# KiCad board FCSat_dual.kicad_pcb (continued)
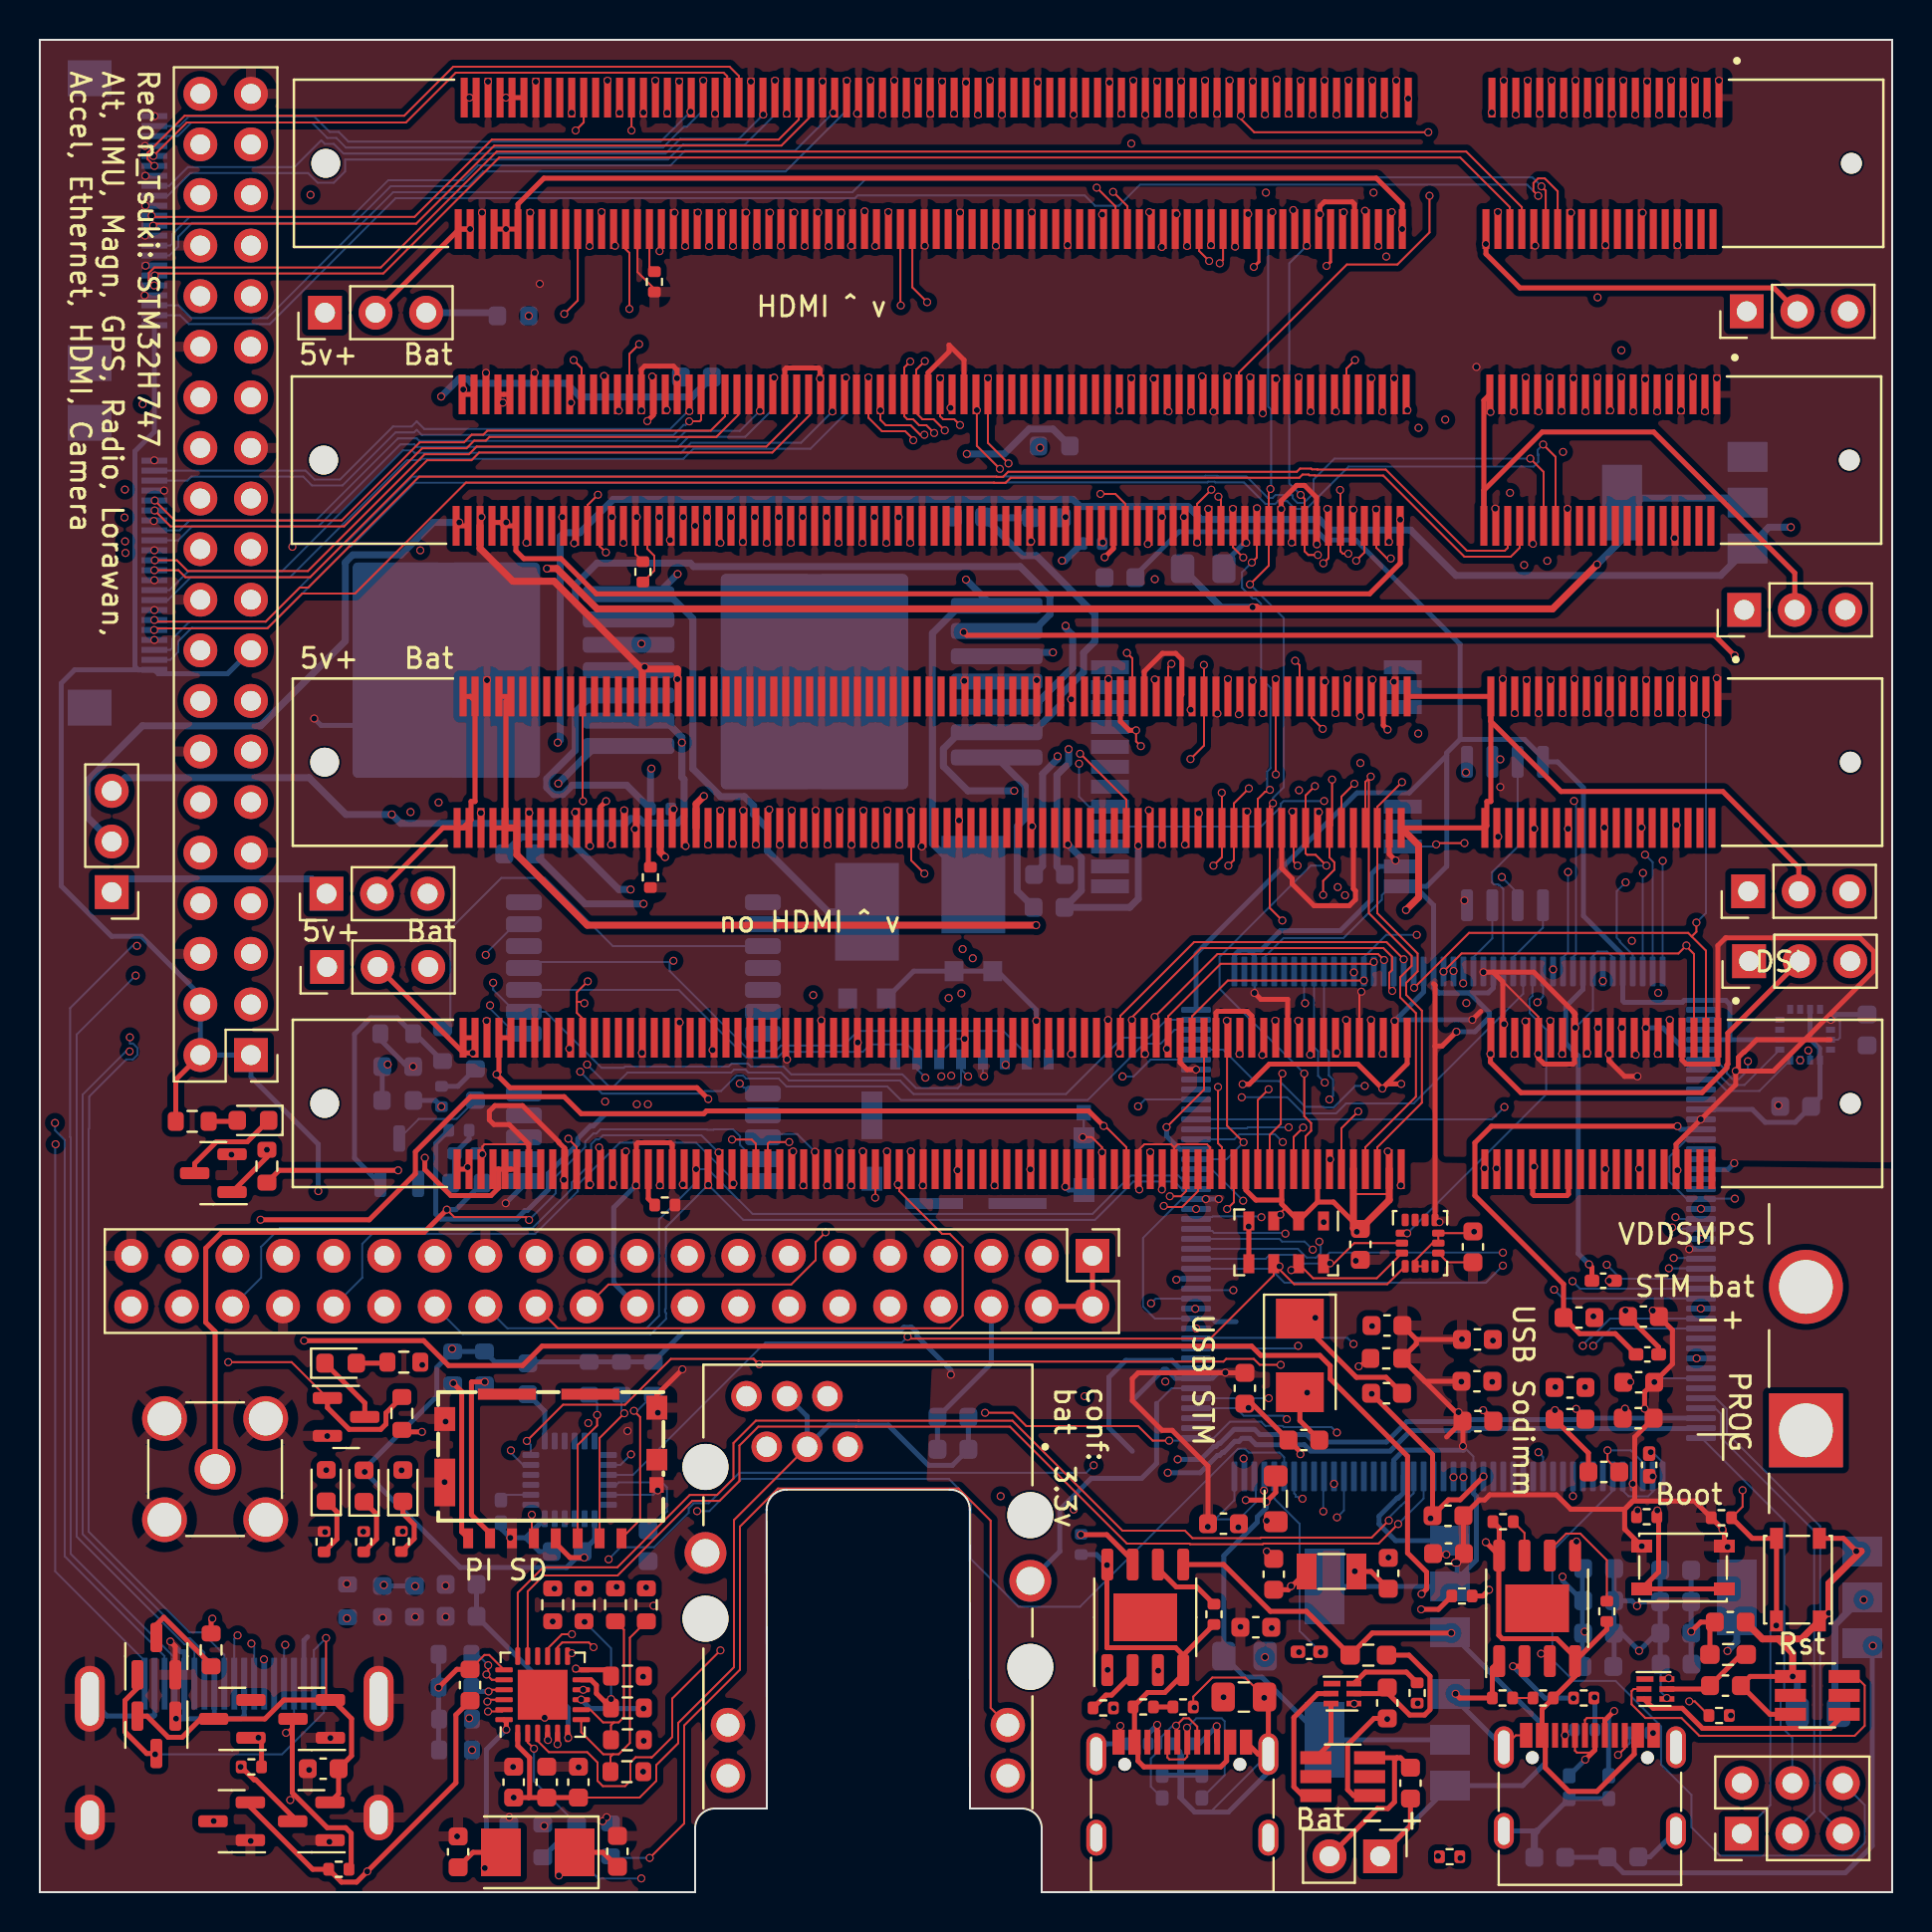
[diagram p0: board, top side]
## Routing (per net, layer and track width the routed paths; a pad name or vN(x,y) marks a point on that pad's centre or on a via; arc(x,y) is an arc through that point) (continued)
+3.3VA: length 148.1
  Top w0.25: v1(27.18,9.67) 27.18,9.67 U1.9 ; P3.2 6.83,40.79 R42.1 ; P4.1 P4.2 P4.4 ; D8.2 10.57,4.28 13.7,1.15 R39.1 15.14,0.5 15.91,0.5 20.89,5.49 20.89,8.9 L4.1
  In2.Cu w0.25: v1(19.2,26.47) 21.01,28.28 21.01,29.71 21.88,30.58 31.17,30.58 P4.17 33.7,30.77 51.67,30.77 P4.1
  In2.Cu w0.35: v1(84.73,12.11) 89,12.11 v1(91.57,14.68)
  Bottom w0.25: P3.17 9.42,61.17 5.95,61.17 P1.22 5.01,61.37 ; 5.01,61.37 1.75,61.37 1.08,60.69 1.08,50.52 3.6,47.99 5.1,47.99 8.06,45.03 ; 5.01,61.37 4.95,61.37 4.78,61.54 4.78,72.34 5.75,73.32 P2.22 ; C40.1 C41.1 ; v1(13.98,35.2) 13.98,37.55 10.6,40.93 P3.1 P3.2 P3.4 ; v1(30.31,9.22) 27.63,9.22 v1(27.18,9.67)
  Bottom w0.35: VoltReg2.2 85.2,12.58 v1(84.73,12.11) ; VoltReg2.2 90.13,13.42 90.13,9.2
  vias: v1(16.44,1.04) v1(17.27,15.42) v1(18.84,15.36) v1(30.29,10.82) v1(30.32,7.6) v1(30.29,6.05)
+5V: length 184.1
  Top w0.25: R49.2 78.67,13.19 BATCharge2.4 77.08,10.84 R48.1 75.42,9.19 USB_C_ESP3.A4 ; 77.08,11.8 76.16,12.72 73.42,12.72 73.25,12.9 73.25,16.88 ; v1(69.37,14.97) 69.63,15.23 69.63,16.07 68.67,17.03 68.67,21.89 64.79,25.77 64.79,26.42 64.26,26.95 61.3,26.95 60.84,27.41 25.21,27.41 24.24,26.44 20.52,26.44 19.27,27.69 v1(13.27,27.69) ; 75.58,7.71 75.58,6.24 76.77,5.06 78.18,5.06 80.05,6.93 80.05,7.7 ; v1(72.6,17.57) BATCharge2.8 73.27,18.28 R50.2 ; R38.1 11.13,7.6
  In1.Cu w0.25: v1(13.27,27.69) 13.27,28.09 13.39,28.21 ; v1(10.97,7.76) 13.47,10.25 13.47,28.13 13.39,28.21 ; 13.39,28.21 13.39,32.44 13.25,32.57 13.25,40.03 14.42,41.2 J11.1 ; J7.1 15.3,78.31 15.3,65.12 14.28,64.1 15.35,63.02 15.35,51.09 J10.1 14.39,46.48
  In2.Cu w0.25: v1(69.37,14.97) 70.31,14.97 72.6,17.26 v1(72.6,17.57)
  Bottom w0.35: J10.1 13.64,50.88 4.28,50.88
Vbus: length 73.9
  Top w0.25: R8.1 55.61,10.02 56.48,10.02 57.41,10.95 ; 59.58,7.36 59.58,6.59 59.29,6.29 55.43,6.29 55.14,6.59 55.14,7.36 ; USB_C_ESP1.A4 54.96,9.23 ; 57.41,11.89 R9.2 ; 57.41,11.89 BATCharge1.4 ; 57.41,11.89 57.02,12.27 53.58,12.27 53.58,16.03
  In1.Cu w0.25: v1(52.45,24.9) 52.44,24.89 52.44,18.45 53.58,17.31 v1(53.58,16.42)
  In2.Cu w0.25: v1(14.38,21.19) 17.92,24.73 23.22,24.73 23.42,24.52 25.46,24.52 27.27,26.34 28.08,26.34 28.88,27.14 41.93,27.14 43.93,25.13 52.22,25.13 v1(52.45,24.9)
  Bottom w0.25: v1(53.58,16.42) 53.05,16.95 R10.2
VCC: length 124.1
  Top w0.25: 11.4,35.62 12.02,36.24 v1(17.99,36.24) ; 18.28,23.11 v1(19.18,23.11)
  Top w0.35: v1(78.18,66.66) 75.95,64.43 27.98,64.43 25.96,66.45 v1(25.46,66.45) ; v1(60.89,64.51) 61.09,64.51 61.13,64.47
  In1.Cu w0.25: v1(19.18,23.11) 18.47,23.83 18.47,35.77 v1(17.99,36.24)
  In1.Cu w0.35: v1(17.99,36.24) 16.94,37.29 16.94,42.15 21.62,46.83 21.62,61.47 25.46,65.31 v1(25.46,66.45)
  Bottom w0.35: C54.1 59.32,64.51 v1(60.89,64.51) ; 1.8vReg2.2 79.44,67.92 v1(78.18,66.66) ; 79.67,69.99 85.51,69.99
VDDA: length 25.2
  Top w0.1: 66.62,26.8 v1(66.22,26.4)
  In1.Cu w0.1: v1(66.22,26.4) 66.53,26.71 66.53,27.74 66.2,28.07 66.2,29 66.59,29.39 66.59,40.41 v1(66.52,40.48)
  Bottom w0.1: MainMCU1.40 59.41,42.3 60.99,40.72 62.23,40.72 63.53,39.43 64.45,39.43 64.48,39.4 64.96,39.4 66.04,40.48 v1(66.52,40.48)
VDDSMPS: length 35.2
  In1.Cu w0.1: v1(59.92,30.22) 59.92,25.99 62,23.91 62,14.97 71.03,5.94 71.03,2.64 v1(70.2,1.81)
  Bottom w0.1: v1(59.92,30.22) 58.13,30.22
VSS: length 523.8
  Top w0.1: v1(75.23,42.09) 75.23,43.95 72.99,46.19 v1(72.48,46.19) ; U5.49 66.25,45.11 v1(66.35,45.21) ; U2.170 30.01,81.35 30.86,80.5 ; USB_C_ESP3.S1 74.11,7.88 USB_C_ESP3.A1 ; 55.15,37.24 55.45,37.55 56.8,37.55 56.95,37.4 U5.80 56.95,37.38 57.13,37.55 58.6,37.55 58.75,37.4 U5.74 ; U5.44 67.75,35.2 67.6,35.05 66.08,35.05 65.95,35.18 U5.50 ; 62.54,34.36 62.28,34.1 v1(62.28,34.02) ; 71.94,33.09 IMU1.7 IMU1.6 69.92,32.59 69.05,31.71 IMU1.2 IMU1.3 ; U5.188 24.55,37.4 24.4,37.55 22.33,37.55 22.22,37.44 v1(22.22,37.05) ; R7.2 57.91,9.82 58.87,10.77 60.51,10.77 C37.2 ; v1(54.25,8.35) 54.25,7.62 ; U5.86 55.15,35.33 v1(55.2,35.28) ; v1(53.33,37.14) 53.33,37.39 52.82,37.91 v1(52.36,37.91) ; R43.1 29.9,67.18 U3.170
  Top w0.25: 65.95,53.43 65.95,50.38 66.06,50.27 66.06,49.84 65.75,49.53 63.97,49.53 62.88,50.62 62.88,50.88 62.35,51.41 62.35,53.43 ; U5.32 74.95,35.05 75.02,34.97 76.67,34.97 76.75,35.05 U5.26 ; 72.35,44.23 v1(71.92,43.8) ; U5.67 60.85,43.99 60.61,44.22 59.13,44.22 59.05,44.15 U5.73 ; J6.11 30.98,24.97 v1(32.26,26.25) ; v1(64.27,84.24) 64.27,84.64 64.49,84.86 65.89,84.86 66.01,84.75 U2.50 ; U5.188 24.55,37.55 23.56,38.54 22.8,38.54 22.57,38.77 22.57,39.21 22.85,39.49 24.23,39.49 26.06,37.66 26.06,37.63 26.34,37.35 26.35,37.35 U5.182 ; C21.1 77.75,22.05 C7.1 ; C24.1 81.27,27.36 C11.2 ; U5.8 82.15,37.55 85.14,40.54 v1(85.14,41.22) ; v1(71.08,9.96) 71.29,9.75 72.92,9.75 72.92,11.25 BATCharge2.1 ; 89.89,42.8 86.2,42.8 85.59,42.19 85.56,42.19 85.28,41.92 85.28,41.36 v1(85.14,41.22) ; PowerMosfet2.3 86.86,8.93 85.42,10.37 ; 72.97,46.19 v1(72.48,46.19) ; 72.97,46.19 73.45,45.71 U5.37 ; 72.97,46.19 75.01,46.19 77.05,44.15 U5.25 77.05,41.65 76.98,41.57 75.54,41.57 75.25,41.86 U5.31 ; C27.1 64.95,34.65 64.15,34.65 ; USB_C_ESP1.A12 61.16,6.93 USB_C_ESP1.S1 61.68,9.61 ; v1(78.78,42.07) 78.78,41.74 79.57,40.96 v1(80.21,40.96) ; U3.115 46.4,76.92 45.65,77.67 45.65,77.34 44.6,76.29 U3.121 ; v1(91.2,17.12) 90.55,17.77 SW2.1 ; v1(72.48,20.87) 71.31,19.7 70.73,19.7 C12.2 69.92,21.96 v1(66.87,25.02) ; v1(85.14,41.22) 87.04,41.22 92.07,46.25 92.07,47.23 91.38,47.91 84.64,47.91 84.25,47.52 U5.1 84.25,41.57 82.66,41.57 82.45,41.78 U5.7 ; U5.170 29.95,37.55 30.02,37.62 31.65,37.62 31.75,37.52 U5.164 ; v1(88,10.83) 85.86,10.83 C51.1 ; U3.56 64.1,70.02 63.49,70.63 63.1,70.63 62.33,69.86 v1(62.33,69.44) ; 67.75,53.43 67.75,52.12 v1(68.07,51.8) ; U4.79 57.34,60.12 57.34,61.89 57.03,62.19 56.36,62.19 55.45,61.28 U4.85 ; 64.15,34.65 U5.56 ; 64.15,34.65 Alt1.2 62.35,34.55 62.35,34.75 ; v1(63.29,21.99) 63.29,22.1 C2.2 60.86,24.52 C17.2 ; U5.68 60.55,35.25 61.05,34.75 62.35,34.75 ; U5.62 62.35,34.75 ; v1(6.55,12.59) 6.8,12.34 Q2.2 ; v1(77.09,43.4) 77.09,44.09 76.95,44.23 ; C34.1 66.98,8.72 65.66,7.4 65.66,5.15 65.96,4.85 PowerMosfet1.1 ; U5.79 57.25,41.65 57.6,41.3 v1(58.05,41.3) ; v1(31.99,76.01) 31.99,76.44 31.81,76.62 30.37,76.62 30.2,76.45 U3.169 ; v1(60.98,45.15) 61.31,44.82 62.65,44.82 U5.61 ; v1(39.17,75.99) 39.17,76.46 39.1,76.52 37.48,76.52 37.4,76.45 U3.145 ; 72.98,23.69 v1(72.46,24.2) ; v1(70.61,16.95) 70,16.95
  Top w0.35: U4.169 30.25,61.38 ; 30.25,61.38 30.27,61.41 32,61.41 32.01,61.4 v1(32.01,60.9) ; 30.25,61.38 25.82,65.82 23.75,65.82 22.1,67.47 U3.196 ; 87.28,12.71 86.49,12.71 C52.2 ; 87.28,12.71 88,11.99 v1(88,10.83) ; 87.28,12.71 88.45,12.71 SW2.1 89.74,14.01 v1(89.82,14.01) 89.82,15.5 91.44,17.12 v1(91.2,17.12) ; U5.50 65.95,33.32 v1(66.12,33.15) ; U5.44 67.75,34.75 C27.1
  In1.Cu w0.1: v1(60.17,18.32) 60.94,19.09 60.94,19.64 v1(61.46,20.16) ; 57,7.1 61.52,7.1 ; 57,7.1 58,8.09 58,9.25 v1(57.97,9.27) ; 57,7.1 53.2,7.1 ; v1(30.81,14.38) 31.08,14.38 31.15,14.45 31.02,14.58 v1(31.02,20.17)
  In1.Cu w0.25: P4.9 41.48,30.74 41.48,28.42 46.98,22.92 47.93,23.87 47.93,29.25 ; v1(76.09,25.36) 76.09,24.22 v1(76.07,24.2) ; v1(72.48,20.87) 72.46,20.89 v1(72.46,24.2) 72.46,25.16 v1(72.92,25.62) 72.96,25.66 v1(72.96,27.7)
  In2.Cu w0.1: v1(60.98,45.15) 61.48,45.65 65.91,45.65 v1(66.35,45.21) ; v1(77.09,43.4) 77.09,43.46 76.41,44.14 74.07,44.14 v1(73.52,43.58)
  In2.Cu w0.25: v1(72.48,46.19) 74.35,46.19 77.09,43.45 v1(77.09,43.4) ; v1(64.22,54.22) 63.72,53.72 61.14,53.72 v1(60.62,54.25)
  Bottom w0.1: v1(38.91,37.17) 38.03,38.06 36.47,38.06 ; Magnetometer1.9 90.28,43.8 90.38,43.7 90.38,42.9 90.28,42.8 Magnetometer1.11 ; v1(46.43,42.84) 45.93,42.84 45.15,42.06 ; R12.1 57.4,6.88 57.4,4.71 58.01,4.09 58.84,4.09 USB_C_ESP1.S1 ; J3.9 52.41,37.96 ; v1(81.69,9.75) 81.38,10.06 C60.2 ; v1(77.09,43.4) 77.98,44.29 MainMCU1.81 77.98,46.99 78.2,47.22 78.68,47.22 78.98,46.93 MainMCU1.83 ; v1(54.25,8.35) 54.25,7.83 R11.1 ; v1(31.02,20.17) 30.8,19.95 Accel1.11 ; 56.07,24.54 56.83,25.3 MainMCU1.6 ; MainMCU1.137 79.48,20.17 79.77,19.88 80.74,19.88 80.98,20.1 v1(80.98,20.88) ; v1(60.98,45.15) 60.99,45.15 60.99,46.21
  Bottom w0.25: 60.72,47.3 60.23,47.3 59.98,47.04 MainMCU1.45 ; 60.72,47.3 60.98,47.04 MainMCU1.47 ; 60.72,47.3 61.31,47.3 62.29,48.27 65.3,48.27 66.85,49.82 66.85,51.12 67.23,51.5 LoRaWan1.19 ; 59.45,66.71 60.49,67.75 v1(60.57,67.75) ; 8.5,8.71 8.6,8.71 8.76,8.87 J8.8 ; 8.5,8.71 v1(6.84,8.71) 7.1,8.71 7.26,8.87 J8.5 7.26,12.07 7.07,12.07 v1(6.55,12.59) ; 8.5,8.71 10.1,8.71 10.26,8.87 J8.11 ; C31.2 23.15,18.26 v1(23.62,17.79) 24.39,17.79 ; J8.17 13.26,12.64 13.44,12.82 ; D4.1 D12.1 75.16,3.07 USB_C_ESP3.S1 ; v1(89.92,43.8) 90.19,44.06 C30.1 ; C58.2 81.36,11.47 ; D2.1 57.24,5.87 ; 57.24,5.87 D3.1 ; 57.24,5.87 57.24,6.26 ; C50.2 25.35,24.15 Accel1.1 ; D17.2 43.87,46.24 D16.1 48.08,46.24 50.03,44.29 v1(50.03,43.74) ; 24.39,17.79 25.08,17.1 C26.2 ; 24.39,17.79 Accel1.18 ; 61.68,6.03 59.67,4.02 57.98,4.02 57.24,4.76 57.24,6.26 ; 68.46,20.89 68.46,20.05 68.21,19.79 68.15,19.79 67.24,18.88 67.24,18.48 68.07,17.65 VoltReg1.1 ; J5.S2 51.21,17.11 51.21,19.2 52.79,20.77 55.32,20.77 56.07,21.53 56.07,24.54 ; MainMCU1.64 69.48,45.2 v1(68.02,43.74) 68.08,43.8 v1(71.92,43.8) ; 18.45,41.45 17.09,42.8 ; C65.2 79.42,13 v1(80.3,12.12) 81.17,13 ; v1(51.49,35.42) 51.66,35.25 J3.11 ; C59.2 80.4,14.58 v1(80.19,14.37) 79.93,14.63 C66.2 ; MainMCU1.93 82.58,42.3 81.49,43.39 v1(80.63,43.39) ; USB_C_ESP1.S1 53.55,7.45 R11.1 ; P4.20 28.82,30.58 28.82,34.37 v1(29.93,35.49) ; 24.31,35.5 v1(23.39,34.59) ; USB_C_ESP3.S1 80.84,1.77 C71.2 ; 83.42,36.28 84.75,36.28 v1(85.07,36.6) ; v1(78.06,9.78) 78.08,9.77 R51.1 ; 79.04,11.37 C67.2 ; P4.6 47.77,26.55 C47.2 C48.2 ; 57.24,6.26 57.24,7.04 R12.1 ; v1(13.78,58.92) 14.12,58.58 U6.8 ; 1.8vReg1.1 73.48,7.27 ; J8.2 5.76,8.87 5.74,8.84 3.38,8.84 J8.SH
  Bottom w0.35: v1(55.15,52.55) 55.15,49.87 54.72,49.44 C56.2 52.29,50.28 52.29,51.92 v1(51.61,52.6) ; v1(88,10.83) 88.23,10.6 C55.2 ; C70.2 75.04,2.95 75.16,3.07
  vias: v1(5.28,87.67) v1(5.3,86.17) v1(5.3,84.67) v1(5.28,83.17) v1(5.31,81.66) v1(5.26,80.17) v1(5.75,89.17) v1(5.75,71.89) v1(5.72,68.84) v1(5.75,67.37) v1(5.75,65.87) v1(5.75,64.37) v1(5.75,62.87) v1(6.24,70.37) v1(9.62,37.03) v1(10.59,2.57) v1(13.52,6.14) v1(14.32,18.08) v1(14.43,22.9) v1(14.54,2.53) v1(14.59,7.74) v1(15.41,15.48) v1(16.24,18.1) v1(17.21,13.77) v1(18.22,18.11) v1(18.74,41.45) v1(18.85,13.82) v1(20.32,20.59) v1(20.37,23.63) v1(20.37,15.39) v1(20.38,13.82) v1(20.95,2.8) v1(22.14,54.19) v1(22.2,84.32) v1(22.17,69.04) v1(22.4,76.28) v1(22.43,43.74) v1(22.5,90.9) v1(22.45,60.85) v1(23.57,3.77) v1(23.76,6.29) v1(24.43,67.75) v1(24.62,84.32) v1(24.57,54.19) v1(24.84,76.28) v1(24.9,90.9) v1(25.1,80.75) v1(25.35,8.76) v1(25.32,3.33) v1(26.23,69.04) v1(26.31,35.76) v1(26.58,42.35) v1(26.7,89.34) v1(26.67,74.78) v1(27.05,6.27) v1(28.26,3.56) v1(28.46,3.76) v1(29.51,23.15) v1(29.88,53.38) v1(29.97,69.04) v1(30.2,74.4) v1(30.23,42.14) v1(30.3,89.35) v1(30.37,61.51) v1(31.03,24.07) v1(31.64,67.88) v1(31.82,54.37) v1(31.87,84.32) v1(32.1,90.9) v1(32.12,43.66) v1(33.78,42.28) v1(33.9,89.3) v1(35.3,67.8) v1(35.31,54.3) v1(35.46,84.32) v1(35.7,90.9) v1(37.1,69.04) v1(37.2,82.66) v1(37.15,52.6) v1(37.5,89.3) v1(37.51,41.81) v1(38.95,54.3) v1(39.08,84.32) v1(39.23,43.77) v1(39.3,90.9) v1(40.73,82.66) v1(40.73,35.49) v1(40.75,52.6) v1(41.03,89.3) v1(41.07,42.66) v1(42.9,90.95) v1(44.28,52.5) v1(44.33,35.49) v1(44.43,82.66) v1(44.7,89.3) v1(46.15,53.81) v1(46.08,36.24) v1(46.2,84.32) v1(46.41,60.81) v1(46.5,90.85) v1(47.93,35.49) v1(48,82.66) v1(48.3,89.25) v1(49.73,36.29) v1(49.8,84.32) v1(49.77,67.82) v1(49.82,53.51) v1(50.05,60.85) v1(50.1,90.85) v1(51.5,69.04) v1(51.6,82.7) v1(51.78,59.89) v1(51.77,42.08) v1(51.9,89.25) v1(53.34,84.23) v1(53.37,67.77) v1(53.65,60.9) v1(53.63,43.79) v1(53.61,11.16) v1(53.7,90.85) v1(53.92,9.24) v1(55.5,89.25) v1(55.49,42.09) v1(56.15,11.12) v1(57.07,84.25) v1(57.3,90.9) v1(58.05,34.3) v1(58.01,29.29) v1(58.06,28.3) v1(58.66,69.44) v1(58.8,82.7) v1(58.93,74.34) v1(59.1,89.3) v1(59.12,59.18) v1(60.67,84.25) v1(60.69,24.32) v1(60.76,76.05) v1(60.9,90.9) v1(60.89,60.8) v1(61.51,11.8) v1(61.47,9.76) v1(61.6,17.11) v1(61.85,13.26) v1(62.7,89.3) v1(63.22,12.05) v1(64.11,67.67) v1(64.5,90.95) v1(64.52,60.78) v1(65.96,69.41) v1(65.99,9.46) v1(66.3,59.05) v1(66.89,28.42) v1(67.65,8.69) v1(67.74,67.8) v1(67.68,37.19) v1(67.71,16.8) v1(67.88,84.35) v1(68,76) v1(67.98,60.77) v1(68.1,90.95) v1(69.18,9.48) v1(69.82,18.77) v1(71.52,49.79) v1(72.01,33.16) v1(72.13,76.58) v1(73.07,69.46) v1(73.13,36.34) v1(73.2,84.35) v1(73.22,52.99) v1(73.32,55.49) v1(73.5,90.95) v1(73.45,60.9) v1(74.96,67.7) v1(75.03,53.39) v1(75.02,36.43) v1(75.08,82.67) v1(75.3,89.3) v1(75.25,74.35) v1(75.25,59.2) v1(75.37,11.97) v1(76.7,69.45) v1(76.73,53.39) v1(76.88,84.32) v1(77,76) v1(77.05,60.9) v1(77.1,90.95) v1(78,28.91) v1(78.55,53.45) v1(78.61,82.7) v1(78.6,36.3) v1(78.78,59.18) v1(78.78,30.7) v1(78.95,89.3) v1(78.85,74.4) v1(79.61,29.2) v1(79.59,24.27) v1(79.85,25.62) v1(80.22,19.16) v1(80.3,36.32) v1(80.42,53.45) v1(80.47,84.32) v1(80.6,75.95) v1(80.65,60.85) v1(80.7,90.9) v1(81,7.99) v1(82.08,67.98) v1(82.22,82.7) v1(82.17,53.58) v1(82.22,36.24) v1(82.4,74.4) v1(82.5,89.3) v1(82.45,59.2) v1(83.39,38.8) v1(83.4,34.31) v1(83.41,32.8) v1(83.39,29.3) v1(84.2,76) v1(84.19,60.94) v1(84.3,90.95) v1(84.9,8.87) v1(87.29,39.5)
1CAM1_C_N: length 33
  Bottom w0.1: v1(36.15,74.37) 35.15,73.37 32.44,73.37 31.94,72.86 19.05,72.86 18.92,73 18.91,72.99 17.98,72.99 13.86,68.87 7.52,68.87 7.02,68.37 P1.8
1CAM1_C_P: length 35.5
  Bottom w0.1: v1(36.87,76.04) 36.87,74.52 35.42,73.07 32.57,73.07 32.06,72.56 18.93,72.56 18.8,72.69 18.11,72.69 13.99,68.57 7.64,68.57 6.94,67.87 P1.9
1CAM1_D0_N: length 28.8
  Bottom w0.1: v1(32.61,74.36) 32.55,74.36 31.66,73.46 19.3,73.46 18.93,73.84 18.92,73.84 18.67,73.59 17.73,73.59 15.07,70.92 13.79,70.92 13.34,71.37 P1.2
1CAM1_D0_P: length 30.6
  Top w0.1: U3.159 33.2,73.92 33.13,73.85 32.61,73.85 v1(32.6,73.84)
  Bottom w0.1: v1(32.6,73.84) 32.43,73.67 32.32,73.67 31.81,73.16 19.18,73.16 18.92,73.42 18.79,73.29 17.86,73.29 15.19,70.63 13.66,70.63 13.22,71.07 7.6,71.07 7.4,70.87 P1.3
1CAM1_D1_N: length 32.3
  Top w0.1: U3.155 34.4,74.1 33.68,73.38 22.47,73.38 22.27,73.18 21.68,73.18 21.3,72.79 19.07,72.79 15.15,68.87 6.77,68.87 v1(5.77,69.87)
1CAM1_D1_P: length 32.2
  Top w0.1: v1(5.76,69.37) 6.56,68.57 15.27,68.57 19.2,72.49 21.42,72.49 21.81,72.88 22.39,72.88 22.57,73.06 33.96,73.06 35.07,74.17 35.07,74.37
1CAM1_D2_N: length 37.6
  Top w0.1: 38,76.04 38,74.1 36.48,72.58 21.93,72.58 21.55,72.19 19.32,72.19 13.46,66.33 7.42,66.33 6.88,66.87 v1(5.77,66.87)
1CAM1_D2_P: length 36.7
  Top w0.1: 38.66,74.4 38.66,74.17 36.77,72.28 22.06,72.28 21.67,71.89 19.45,71.89 13.57,66.02 7.31,66.02 6.96,66.37 v1(5.75,66.37)
1CAM1_D3_N: length 37.9
  Bottom w0.1: P1.14 6.51,65.37 7.47,66.33 12.17,66.33 18.23,72.39 18.68,72.39 18.81,72.26 32.19,72.26 32.69,72.77 38.22,72.77 v1(39.79,74.34)
1CAM1_D3_P: length 40.4
  Bottom w0.1: v1(40.47,76.04) 40.47,74.25 38.69,72.47 32.82,72.47 32.31,71.96 19.16,71.96 19.1,71.9 18.44,71.9 12.57,66.03 7.59,66.03 6.43,64.87 P1.15
1CAM1_IO0: length 74
  Top w0.1: U3.36 73.7,67.5 73.55,67.35 71.65,67.35 67.57,71.42 64.15,71.42 64.14,71.43 63.87,71.43 63.83,71.47 63.27,71.47 63.11,71.31 48.62,71.31 48.37,71.06 48.03,71.06 48.03,71.07 19.05,71.07 13.47,65.5 13.05,65.5 11.34,63.79 5.83,63.79 v1(5.75,63.87)
1CAM1_IO1: length 74.8
  Top w0.1: v1(5.74,63.37) 5.82,63.45 11.42,63.45 13.17,65.2 15.83,65.2 21.4,70.77 47.9,70.77 47.91,70.76 48.49,70.76 48.74,71.01 63.23,71.01 63.39,71.17 63.71,71.17 63.75,71.13 64.02,71.13 64.03,71.12 67.45,71.12 71.52,67.05 73.85,67.05 74.3,67.5 U3.34
1CD1_SCL: length 78.7
  Top w0.1: v1(74.83,71.97) 75.5,71.31 U3.30
  Bottom w0.1: P1.20 6.55,62.37 6.65,62.47 6.65,62.92 7.52,63.79 11.34,63.79 15.41,67.86 15.48,67.86 18.69,71.07 48.03,71.07 48.03,71.06 48.37,71.06 48.38,71.08 58.49,71.08 58.53,71.11 59.11,71.11 59.14,71.08 60.58,71.08 61.65,70 61.9,70 62.04,70.14 62.89,70.14 62.9,70.13 62.9,69.99 63.14,69.75 63.47,69.75 63.95,70.24 63.95,70.92 65,71.97 v1(74.83,71.97)
1CD1_SDA: length 80.5
  Top w0.1: U3.28 76.1,72.06 v1(75.48,72.69)
  Bottom w0.1: v1(75.48,72.69) 75.2,72.41 75.2,72.24 75.2,72.23 75.21,72.22 75.21,72.2 75.21,72.2 75.21,72.18 75.22,72.17 75.22,72.17 75.22,72.16 75.23,72.15 75.23,72.14 75.23,71.81 75,71.58 65.71,71.58 63.59,69.45 63.01,69.45 62.62,69.84 62.16,69.84 62.02,69.7 61.53,69.7 60.45,70.78 59.01,70.78 58.98,70.81 58.65,70.81 58.62,70.78 48.51,70.78 48.49,70.76 18.82,70.76 15.62,67.56 15.54,67.56 11.46,63.49 7.64,63.49 6.95,62.8 6.95,62.27 6.55,61.87 P1.21
1EMMC_EN_N_1V8: length 77.4
  Top w0.25: Q3.1 11.4,36.9 v1(11.4,37.27) ; U3.90 53.9,67.46 v1(53.46,67.02)
  In1.Cu w0.25: v1(12.68,67.55) 12.69,67.54 12.69,38.56 v1(11.4,37.27)
  In2.Cu w0.25: v1(12.68,67.55) 13.3,68.17 19.43,68.17 20.37,67.23 25.78,67.23 26.22,66.79 29.32,66.79 29.51,66.98 50.77,66.98 51.12,67.33 51.52,67.33 51.53,67.31 53.17,67.31 v1(53.46,67.02)
+5P: length 231
  In1.Cu w0.35: J7.3 17.67,77.57 v1(17.67,54.11)
  In2.Cu w0.35: v1(92.03,12.37) 92.12,12.46 92.12,64.67 88.26,68.53 v1(87.91,68.53) ; v1(32.23,57.72) 32.22,57.73 31.75,57.73 31.4,58.08 30.01,58.08 29.65,57.72 v1(26,57.72)
  Bottom w0.25: 92,12 92,2.32 90.65,0.97 79.51,0.97 C71.1 ; 76.58,1.75 78.69,1.75
  Bottom w0.35: J9.3 4.28,55.95 13.52,55.95 15.37,54.11 v1(17.67,54.11) 18.12,53.66 29.42,53.66 29.66,53.9 30.09,53.9 30.32,53.68 32.02,53.68 32.35,54 32.35,55.87 32.23,55.98 32.23,57.98 31.4,58.81 ; v1(26,57.72) 26.13,57.85 26.13,68.07 26.31,68.25 27.11,68.25 28.79,69.93 51.87,69.93 52.23,69.57 57.65,69.57 58.3,68.92 64.24,68.92 64.78,68.38 68.83,68.38 71.1,66.11 84.39,66.11 1.8vReg2.3 86.81,68.53 v1(87.91,68.53) ; 22.81,79.3 J7.3
+BATT: length 81.5
  In1.Cu w0.25: v1(48.92,55.3) 49.24,55.62 49.24,55.88 ; J11.3 19.5,50.1
  In1.Cu w0.35: 49.29,55.62 49.24,55.67 49.24,71.54 v1(50.22,72.52) ; J10.3 18.61,50.99 v1(18.61,54.23)
  In2.Cu w0.35: v1(48.92,55.3) 47.65,56.57 31.29,56.57 30.92,56.94 30.49,56.94 30.18,56.63 30.18,56.6 30.15,56.57 20.95,56.57 v1(18.61,54.23)
  Bottom w0.35: 46.2,58.24 45.36,57.41 45.36,56.52 46.59,55.3 v1(48.92,55.3) ; C61.1 47.44,69.01 ; C62.1 49.34,67.1 50.03,67.1 52.97,64.17 52.97,62.79 52.4,62.22 52.4,61.25 51.25,60.1 51.25,59.61 49.88,58.24
/LED1: length 54
  Top w0.1: 25,7.59 25.55,7.03 27.48,7.03 28,6.51 28,5.59 28.26,5.32 29.39,5.32 29.65,5.59 29.65,6.51 29.91,6.77 30.69,6.77 30.71,6.75 31.75,7.79 31.75,9.72 v1(34.17,12.14)
  In1.Cu w0.1: J5.14 47.49,6.96 47.49,18.9 43.01,23.38 36.08,23.38 35.48,22.78 35.48,13.45 v1(34.17,12.14)
/LED2: length 7.9
  Top w0.1: U1.2 24.5,7.52 v1(24.81,7.21)
  Bottom w0.1: v1(24.81,7.21) 24.81,5.57 R32.1
  Bottom w0.25: 26.92,3.42 R27.2
/RX_N: length 27.7
  Top w0.1: U1.22 22.56,9.66 v1(22.47,9.57)
  In1.Cu w0.1: J5.6 36.49,21.28 36.09,20.87 36.09,19.04 36.09,13 31.55,8.46 25.61,8.46 25.51,8.36 25.18,8.36 24.68,8.86 23.32,8.86 22.62,9.57 22.47,9.57 v1(22.47,9.57) 22.4,9.57 v1(21.56,8.73)
/RX_P: length 31.5
  Top w0.1: v1(22.5,9.07) 23.22,9.07 U1.23
  In1.Cu w0.1: v1(21.7,7.14) 21.7,8.27 v1(22.5,9.07) 23.01,8.56 24.56,8.56 25.06,8.06 25.63,8.06 25.73,8.16 31.74,8.16 36.44,12.86 36.44,19.18 36.43,19.19 36.43,19.64 37.06,20.27 38.46,20.27 J5.4
/TX_N: length 31.2
  Top w0.1: v1(22.51,11.39) 22.51,11.02 v1(22.42,10.93) 22.69,10.66 U1.20
  In1.Cu w0.1: J5.10 38.53,25.91 35.06,25.91 31.45,22.31 31.45,14.33 31.45,14.32 31.45,13.58 28.67,10.81 22.78,10.81 22.77,10.83 22.52,10.83 v1(22.42,10.93)
  Bottom w0.1: 22.02,11.89 v1(22.51,11.39)
/TX_P: length 26.4
  Top w0.1: U1.21 22.61,10.16 v1(22.53,10.08)
  In1.Cu w0.1: J5.12 34.57,24.9 31.8,22.13 31.8,13.44 27.52,9.16 23.45,9.16 v1(22.53,10.08)
  Bottom w0.25: v1(22.53,10.08) 21.88,10.08
/~{RST}: length 61.8
  Top w0.1: v1(85.49,20.18) 85.49,19.35 84.94,18.8
  Top w0.25: 84.94,18.8 85.97,17.77 SW2.2 SW2.2
  In2.Cu w0.1: v1(73.53,39.42) 77.37,35.58 81.2,35.58 85.49,31.29 v1(85.49,20.18)
  Bottom w0.1: v1(87.18,13.39) 86.89,13.09 86.89,4.38 J12.1 ; v1(73.53,39.42) 72.91,38.8 66.03,38.8 66.02,38.8 MainMCU1.33
CAM1_C_N: length 32.6
  Bottom w0.1: v1(36.32,89.25) 35.11,88.04 32.16,88.04 31.41,87.29 15.24,87.29 14.76,87.77 14.31,87.77 14.13,87.95 12.79,86.61 7.44,86.61 6.5,85.67 P2.8
CAM1_C_P: length 35.3
  Bottom w0.1: P2.9 6.42,85.17 7.56,86.31 13.47,86.31 13.95,85.82 14.76,85.82 15.33,86.4 15.33,86.99 31.54,86.99 32.29,87.74 35.4,87.74 36.91,89.25 v1(36.91,90.95)
CAM1_D0_N: length 28.3
  Bottom w0.1: P2.2 7,88.67 7.48,89.15 13.78,89.15 14.56,88.37 15.01,88.37 15.49,87.89 31.17,87.89 v1(32.67,89.39)
CAM1_D0_P: length 30.6
  Bottom w0.1: v1(33.31,90.95) 33.31,89.47 32.48,88.64 32.34,88.64 31.29,87.59 15.37,87.59 14.88,88.07 14.43,88.07 13.66,88.85 7.6,88.85 6.92,88.17 P2.3
CAM1_D1_N: length 30.8
  Top w0.1: 34.51,90.95 34.51,91.17 34.33,91.35 20.88,91.35 18.38,88.85 7.38,88.85 v1(5.7,87.17)
CAM1_D1_P: length 34.4
  Top w0.1: 35.1,89.25 35.1,91.18 34.63,91.65 20.76,91.65 18.3,89.19 7.27,89.19 5.4,87.32 5.4,87.02 v1(5.75,86.67)
CAM1_D2_N: length 35.6
  Top w0.1: U2.143 38.11,89 37.1,87.99 22.69,87.99 18.81,84.11 5.67,84.11 v1(5.61,84.17)
CAM1_D2_P: length 35.3
  Top w0.1: v1(5.69,83.67) 5.79,83.77 18.9,83.77 22.82,87.69 37.23,87.69 38.7,89.16
CAM1_D3_N: length 37.1
  Bottom w0.1: P2.14 6.55,82.67 6.65,82.77 6.65,83.24 7.52,84.11 15.65,84.11 17.49,85.95 21.25,85.95 22,86.69 31.66,86.69 32.4,87.43 37.92,87.43 v1(39.83,89.35)
CAM1_D3_P: length 39.6
  Bottom w0.1: v1(40.52,90.94) 40.52,89.47 37.44,86.39 22.25,86.39 21.51,85.65 17.62,85.65 15.78,83.81 7.64,83.81 6.95,83.12 6.95,82.62 6.5,82.17 P2.15
CAM1_IO0: length 72.6
  Top w0.1: v1(5.77,81.17) 5.87,81.27 17.24,81.27 23.06,87.09 71.31,87.09 73.8,84.6 73.8,83.5
CAM1_IO1: length 74.5
  Top w0.1: U2.34 74.41,84.6 71.61,87.39 22.94,87.39 17.12,81.57 5.75,81.57 5.47,81.29 5.47,80.94 v1(5.74,80.67)
CD1_SCL: length 75.2
  Top w0.1: U2.30 75.61,85.43 v1(75.39,85.64)
  Bottom w0.1: v1(75.39,85.64) 74.94,86.09 41.54,86.09 40.8,85.35 17.74,85.35 11.42,79.03 7.6,79.03 6.96,79.67 P2.20
CD1_SDA: length 77.4
  Top w0.1: v1(75.23,85.17) 74.99,85.41 74.99,85.81 75.22,86.04 75.56,86.04 76.2,85.39 76.2,83.5
  Bottom w0.1: v1(75.23,85.17) 74.67,85.73 55.24,85.73 54.17,84.67 52.98,84.67 52.46,85.19 41.06,85.19 40.93,85.05 17.87,85.05 11.55,78.73 7.48,78.73 7.04,79.17 P2.21
CRSDV: length 64
  In1.Cu w0.1: v1(28.38,39.69) 28.48,39.59 28.48,37.28 28.59,37.18 28.39,36.98 28.39,32.72 28.55,32.56 28.55,17.27 27.33,16.05 v1(27.33,15.24)
  In2.Cu w0.1: v1(63.52,44.63) 62.08,44.63 57.77,40.32 54.72,40.32 54.59,40.19 33.75,40.19 33.73,40.22 28.91,40.22 v1(28.38,39.69)
  Bottom w0.1: MainMCU1.52 63.48,44.68 v1(63.52,44.63)
CS0: length 41
  In1.Cu w0.1: v1(48.49,41.54) 48.87,41.16 48.87,20.51 v1(48.24,19.88)
  In2.Cu w0.1: v1(63.39,19.75) 63.39,19.2 62.34,18.14 60.97,18.14 60.36,18.75 55.55,18.75 55.31,18.5 53.19,18.5 51.36,20.33 48.7,20.33 v1(48.24,19.88)
  Bottom w0.1: v1(63.39,19.75) 63.37,19.77 63.22,19.77 63.15,19.85 63.05,19.85 63.05,19.95 62.98,20.02 MainMCU1.170
CS1: length 56.3
  In2.Cu w0.1: v1(33,19.13) 25.45,19.13 24.87,18.55 24.53,18.55 24.3,18.78 24.3,19.18 27.1,21.98 v1(29.68,21.98)
  Bottom w0.1: MainMCU1.171 62.48,21.84 62.24,22.07 60.7,22.07 60.51,22.26 60.15,22.26 52.22,14.33 49.14,14.33 46.75,16.72 46.75,19.64 45.64,20.75 35.23,20.75 33.61,19.13 v1(33,19.13) ; Accel1.8 29.15,21.45 v1(29.68,21.98)
CS2: length 27.2
  Top w0.25: Alt1.5 Alt1.4
  In1.Cu w0.1: v1(60.69,33.42) 60.01,34.1 60.01,38.57 59.99,38.59 59.99,39.56 v1(60.34,39.91)
  Bottom w0.1: MainMCU1.74 74.48,45.11 73.15,43.78 73.15,43.77 68.98,39.6 65.58,39.6 65.08,39.1 63.43,39.1 62.62,39.91 v1(60.34,39.91)
CS3: length 16.4
  Bottom w0.1: 74.94,46.19 74.94,45 74.79,44.84 74.79,44.51 74.8,44.5 74.8,44.15 75.63,43.32 75.63,40.06 v1(68.65,33.08)
CS4: length 57.3
  In2.Cu w0.1: v1(22.6,44.53) 22.94,44.19 46.1,44.19 46.65,44.74 61.16,44.74 61.76,45.35 63.79,45.35 64.33,44.81 71.22,44.81 71.45,45.04 74.82,45.04 v1(75.19,44.68)
  Bottom w0.1: MainMCU1.76 75.48,44.97 v1(75.19,44.68) ; 23.87,43.1 22.6,44.36 v1(22.6,44.53)
D+: length 48.6
  Top w0.1: USB_C_ESP1.A6 57.11,8.3 v1(57.05,8.36) 57.42,8.73 57.69,8.73 58.11,8.31 USB_C_ESP1.B6
  In1.Cu w0.25: v1(57.05,8.36) 57.05,10.51 56.63,10.93 v1(56.63,21.06)
  Bottom w0.1: v1(57.05,8.36) 56.88,8.36 56.31,7.79 56.31,7.24 55.78,6.71 55.78,5.3 D2.2
  Bottom w0.25: 83.38,23.27 71.83,23.27 71.73,23.17 68.82,23.17 67.8,22.15 63.8,22.15 63.49,22.46 61.07,22.46 60.75,22.78 60.35,22.78 60.2,22.63 60,22.63 59.45,22.08 59.38,22.08 59.23,21.93 59.13,21.93 58.26,21.06 v1(56.63,21.06)
D-: length 51.1
  Top w0.1: v1(57.59,8.26) 57.61,8.24 USB_C_ESP1.A7 57.61,6.8 57.48,6.66 56.71,6.66 56.61,6.77 USB_C_ESP1.B7
  In1.Cu w0.25: v1(57.59,8.26) 57.59,8.49 57.5,8.58 57.5,21.36 v1(57.13,21.73)
  Bottom w0.1: v1(57.59,8.26) 58.07,8.73 59.33,8.73 59.49,8.58 59.49,5.88 D3.2
  Bottom w0.25: v1(57.13,21.73) 58.3,21.73 58.95,22.38 59.04,22.38 59.2,22.53 59.26,22.53 59.96,23.23 60.99,23.23 61.25,22.97 63.61,22.97 63.99,22.6 67.61,22.6 68.64,23.62 71.55,23.62 71.65,23.72 77.18,23.72 77.25,23.8 MainMCU1.130